# Altium PCB PCB1_Bak.PcbDoc (part 1 of 5) (continued)
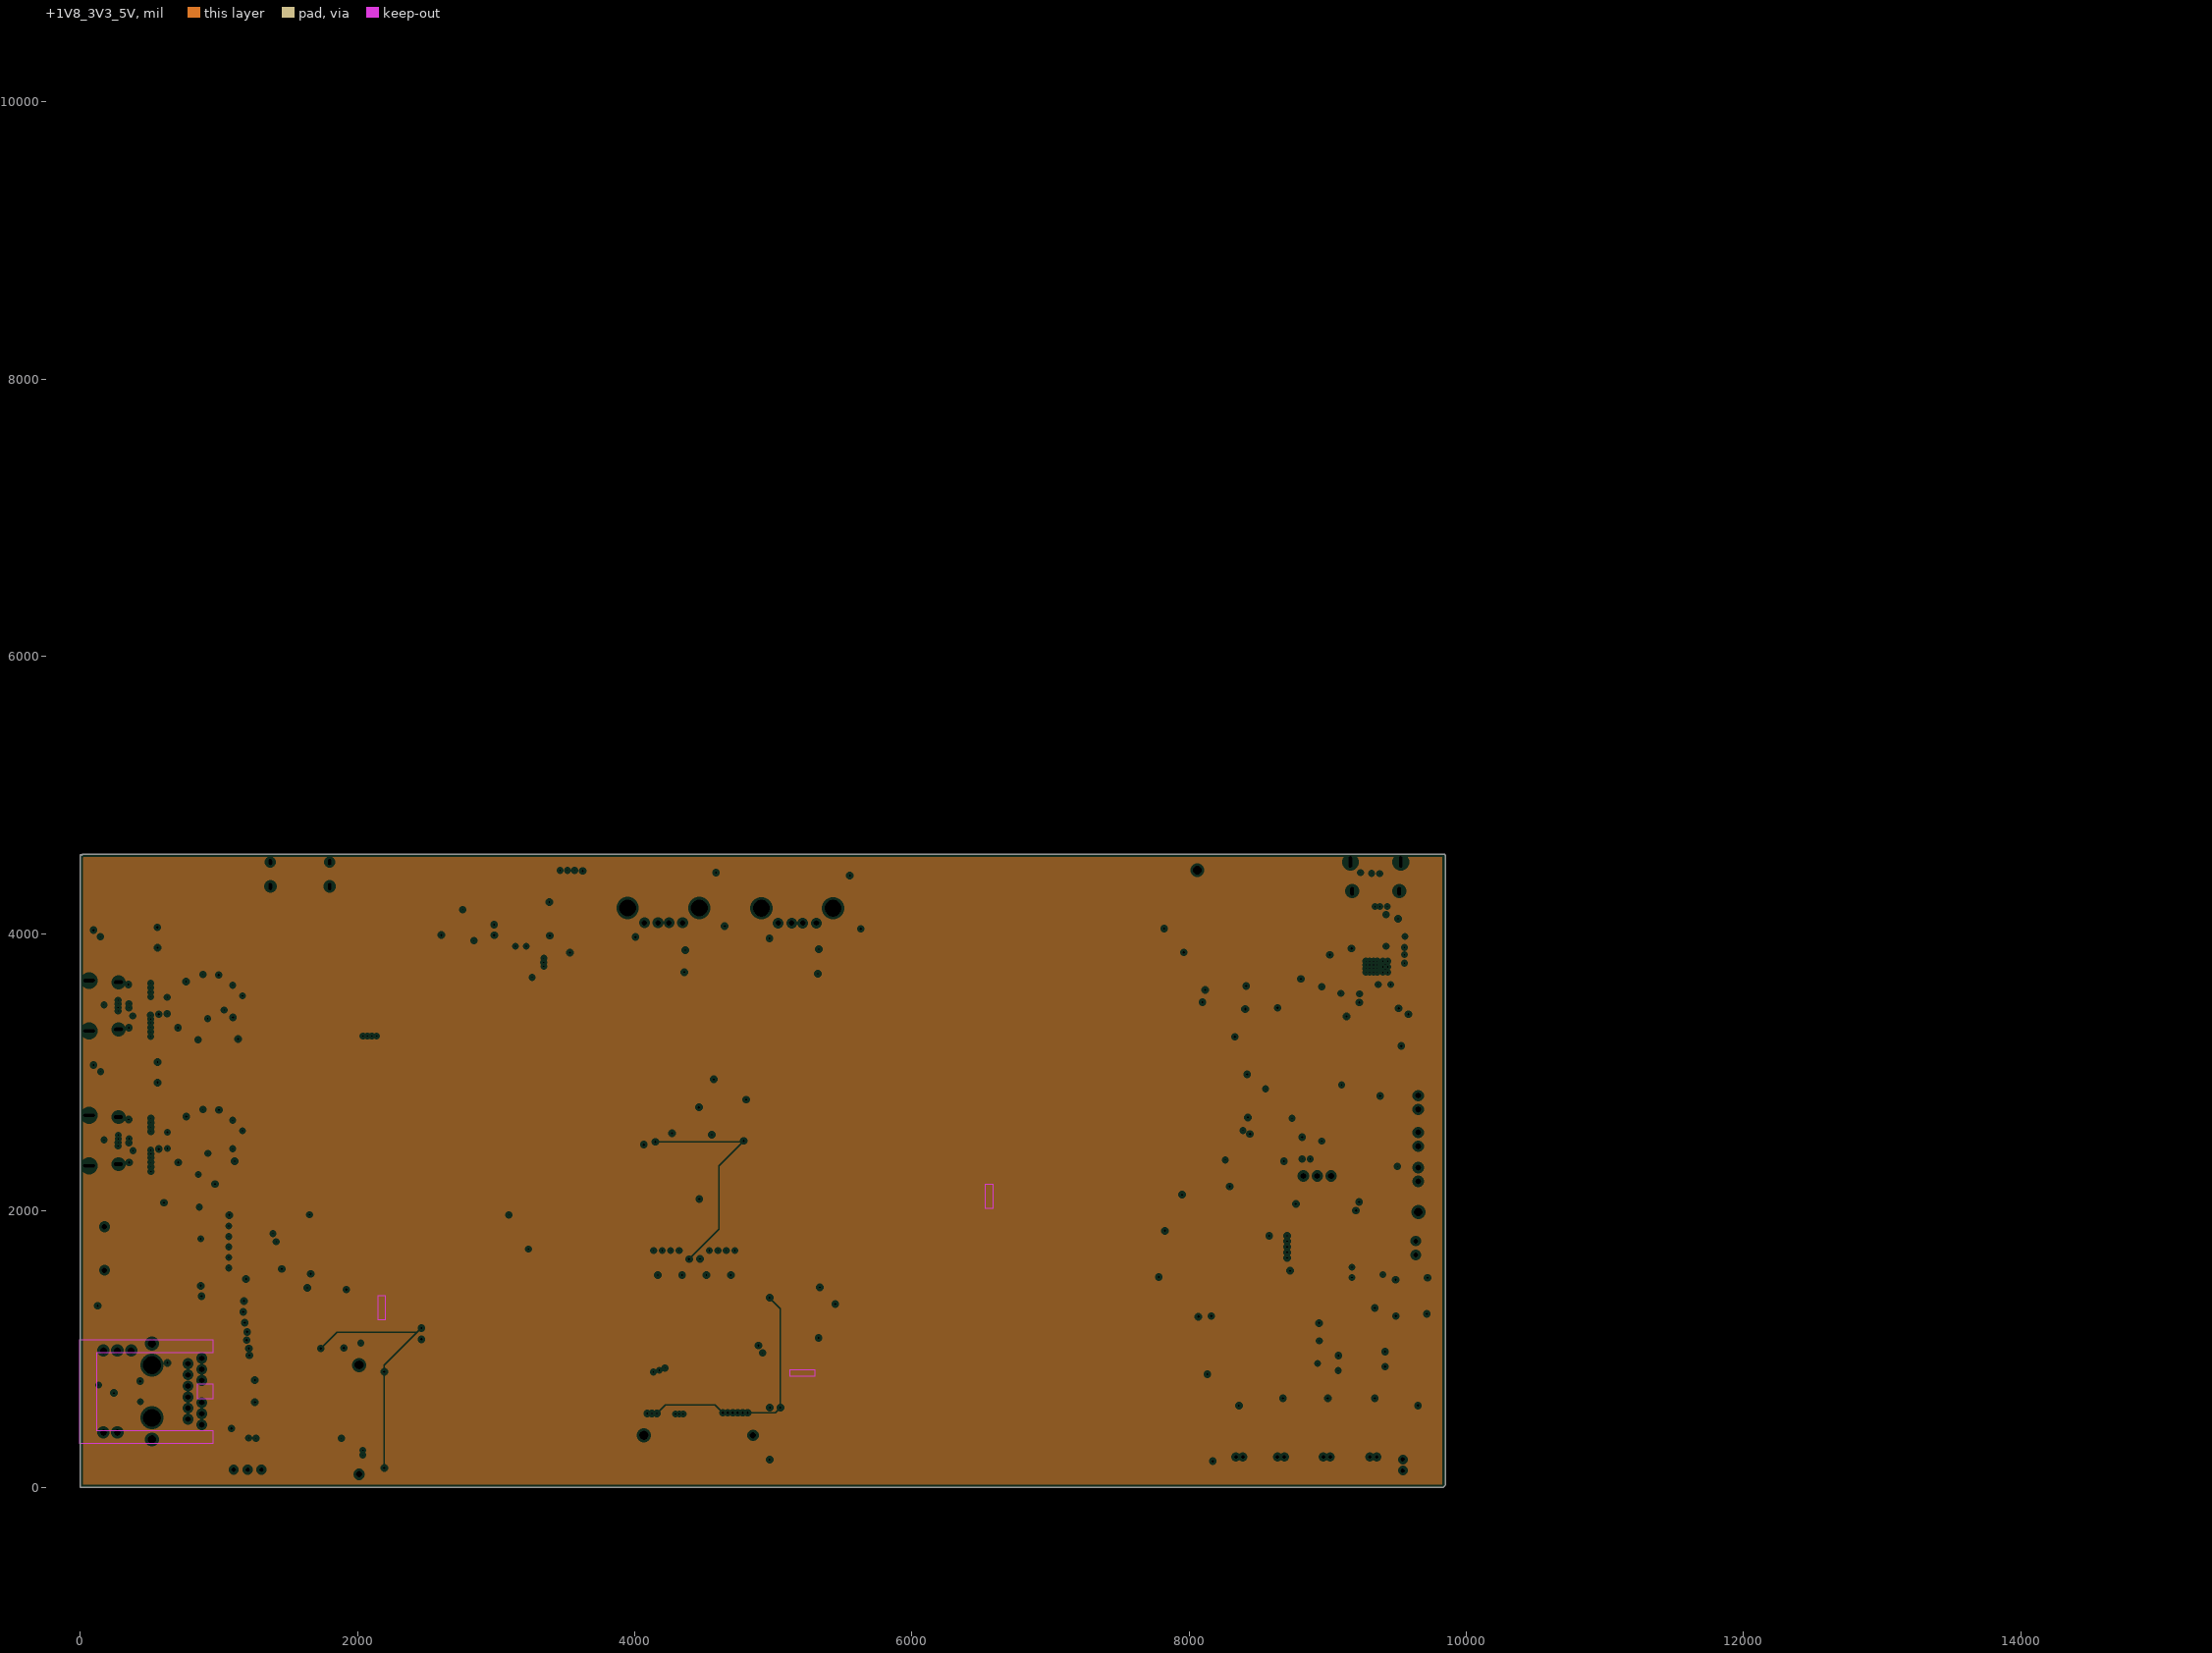
[diagram p4: +1V8_3V3_5V, clearances drawn from the general rule]
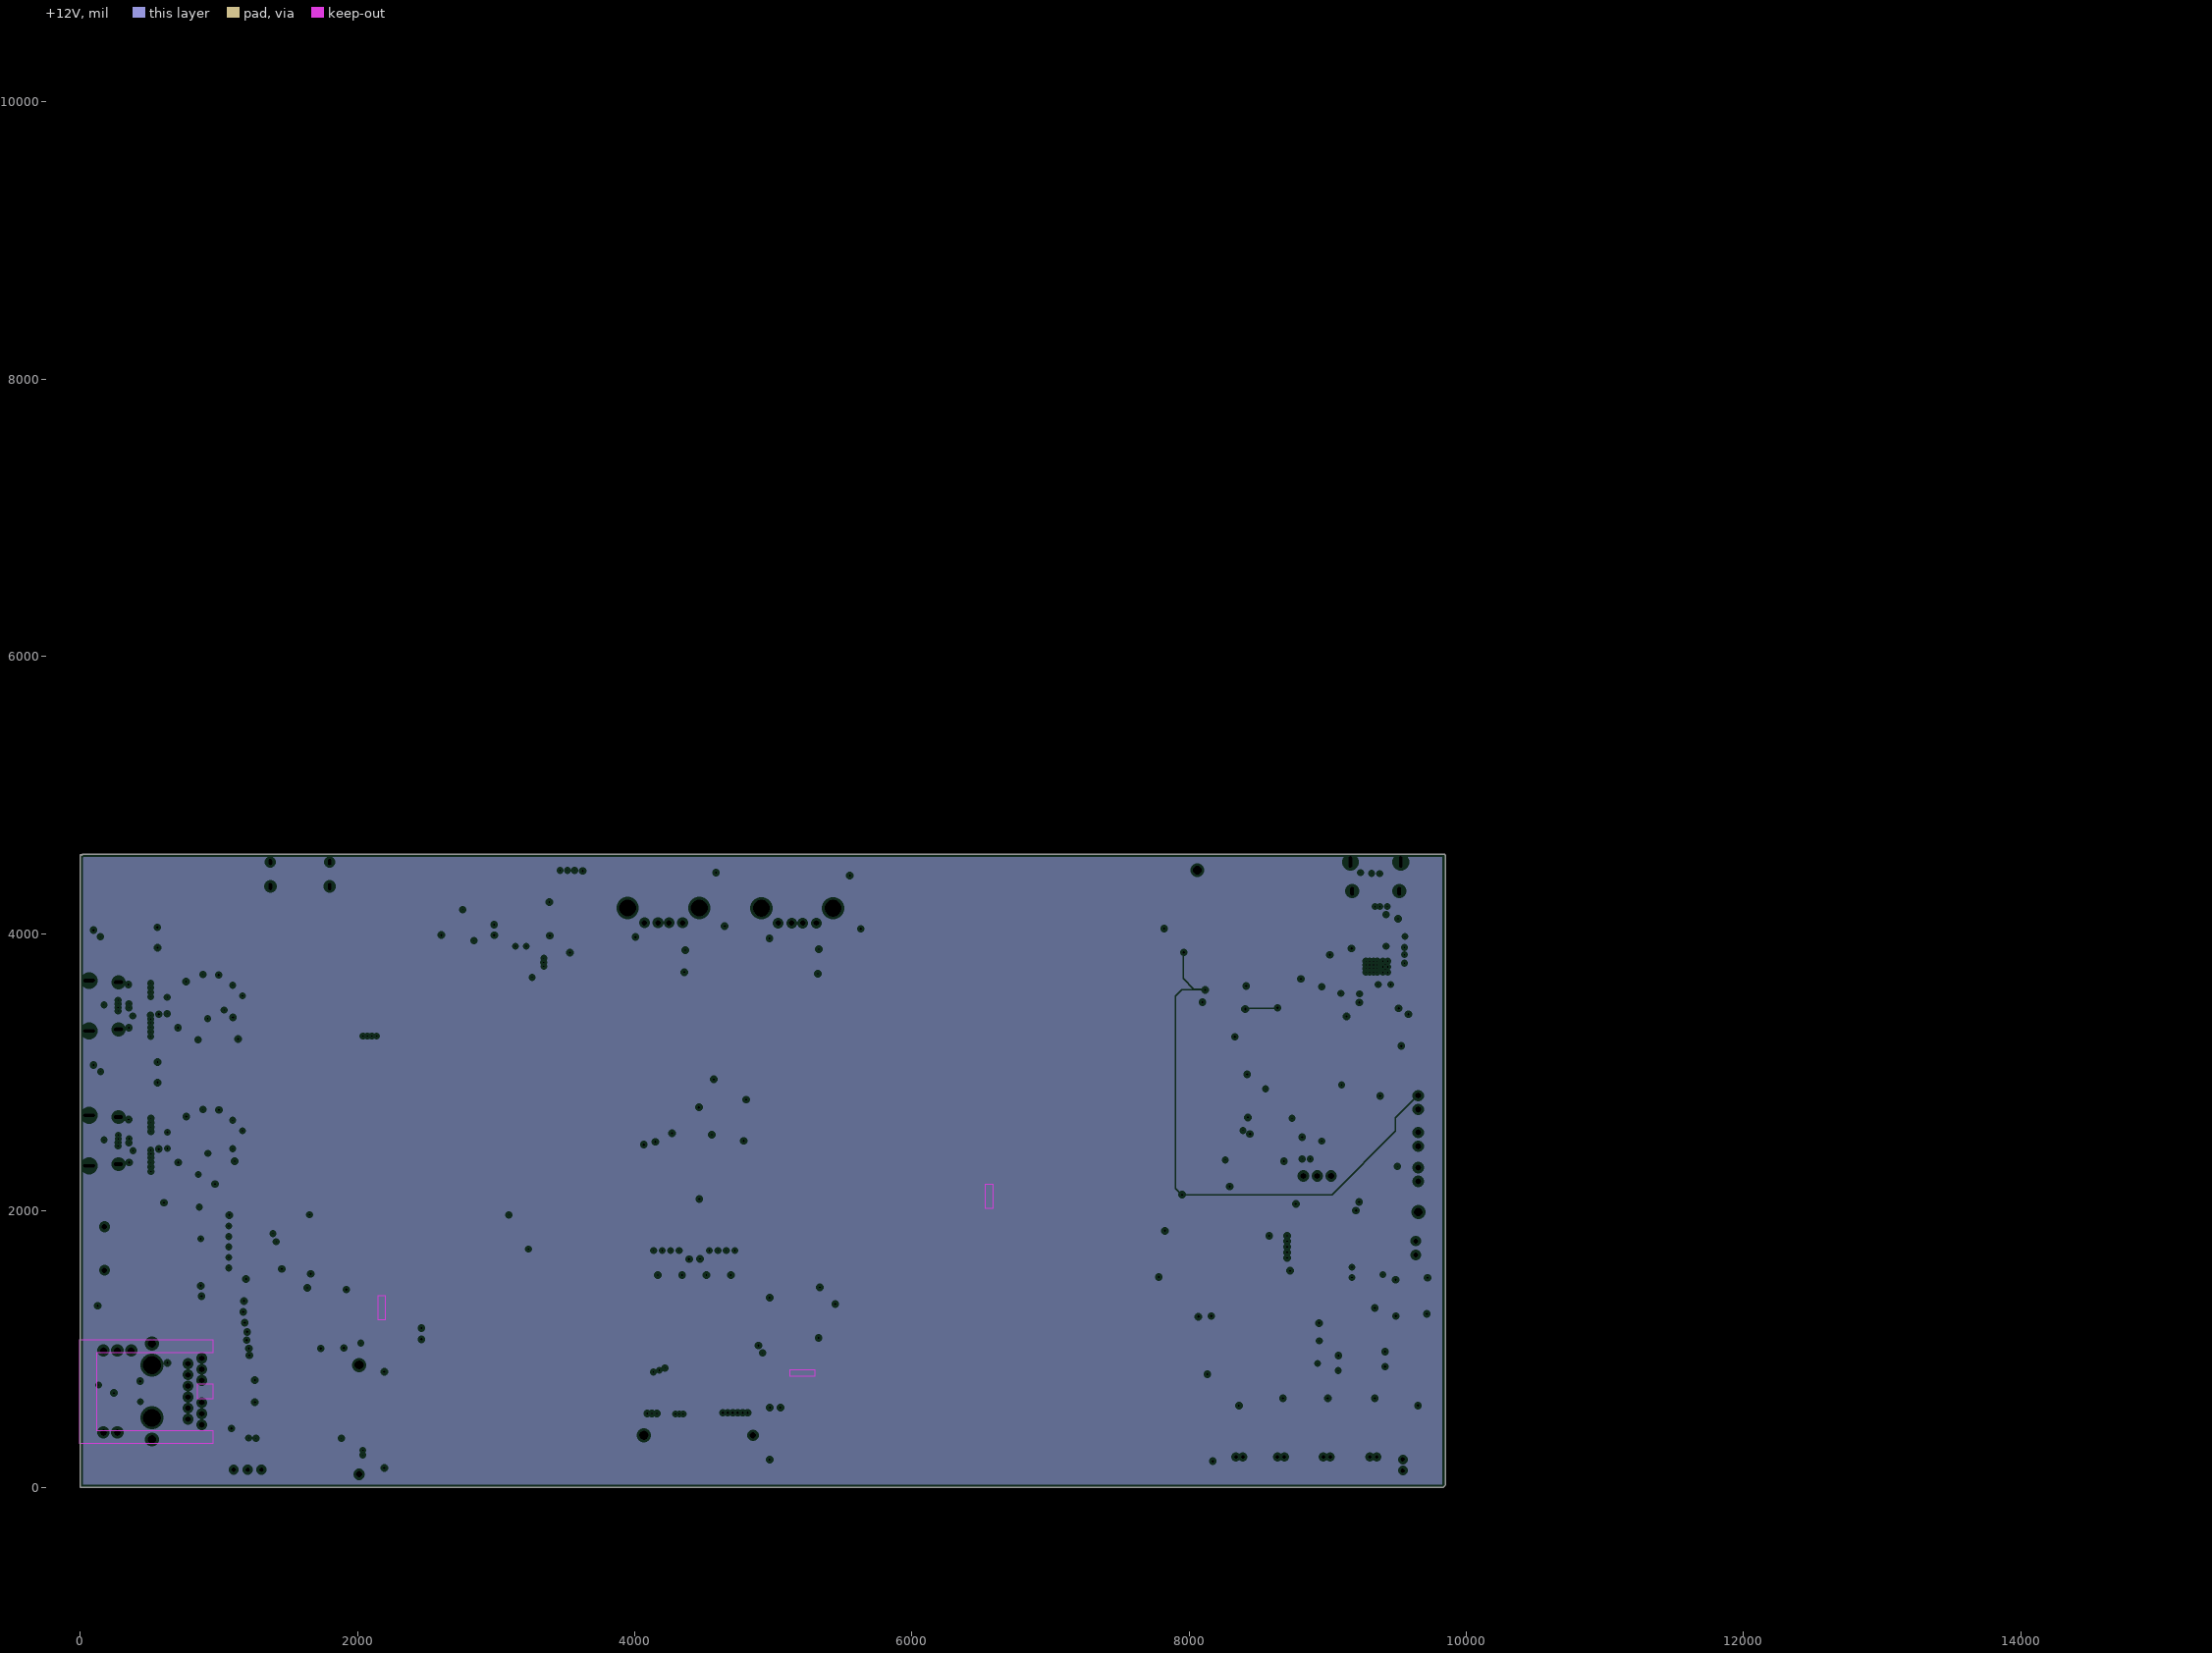
[diagram p5: +12V, clearances drawn from the general rule]
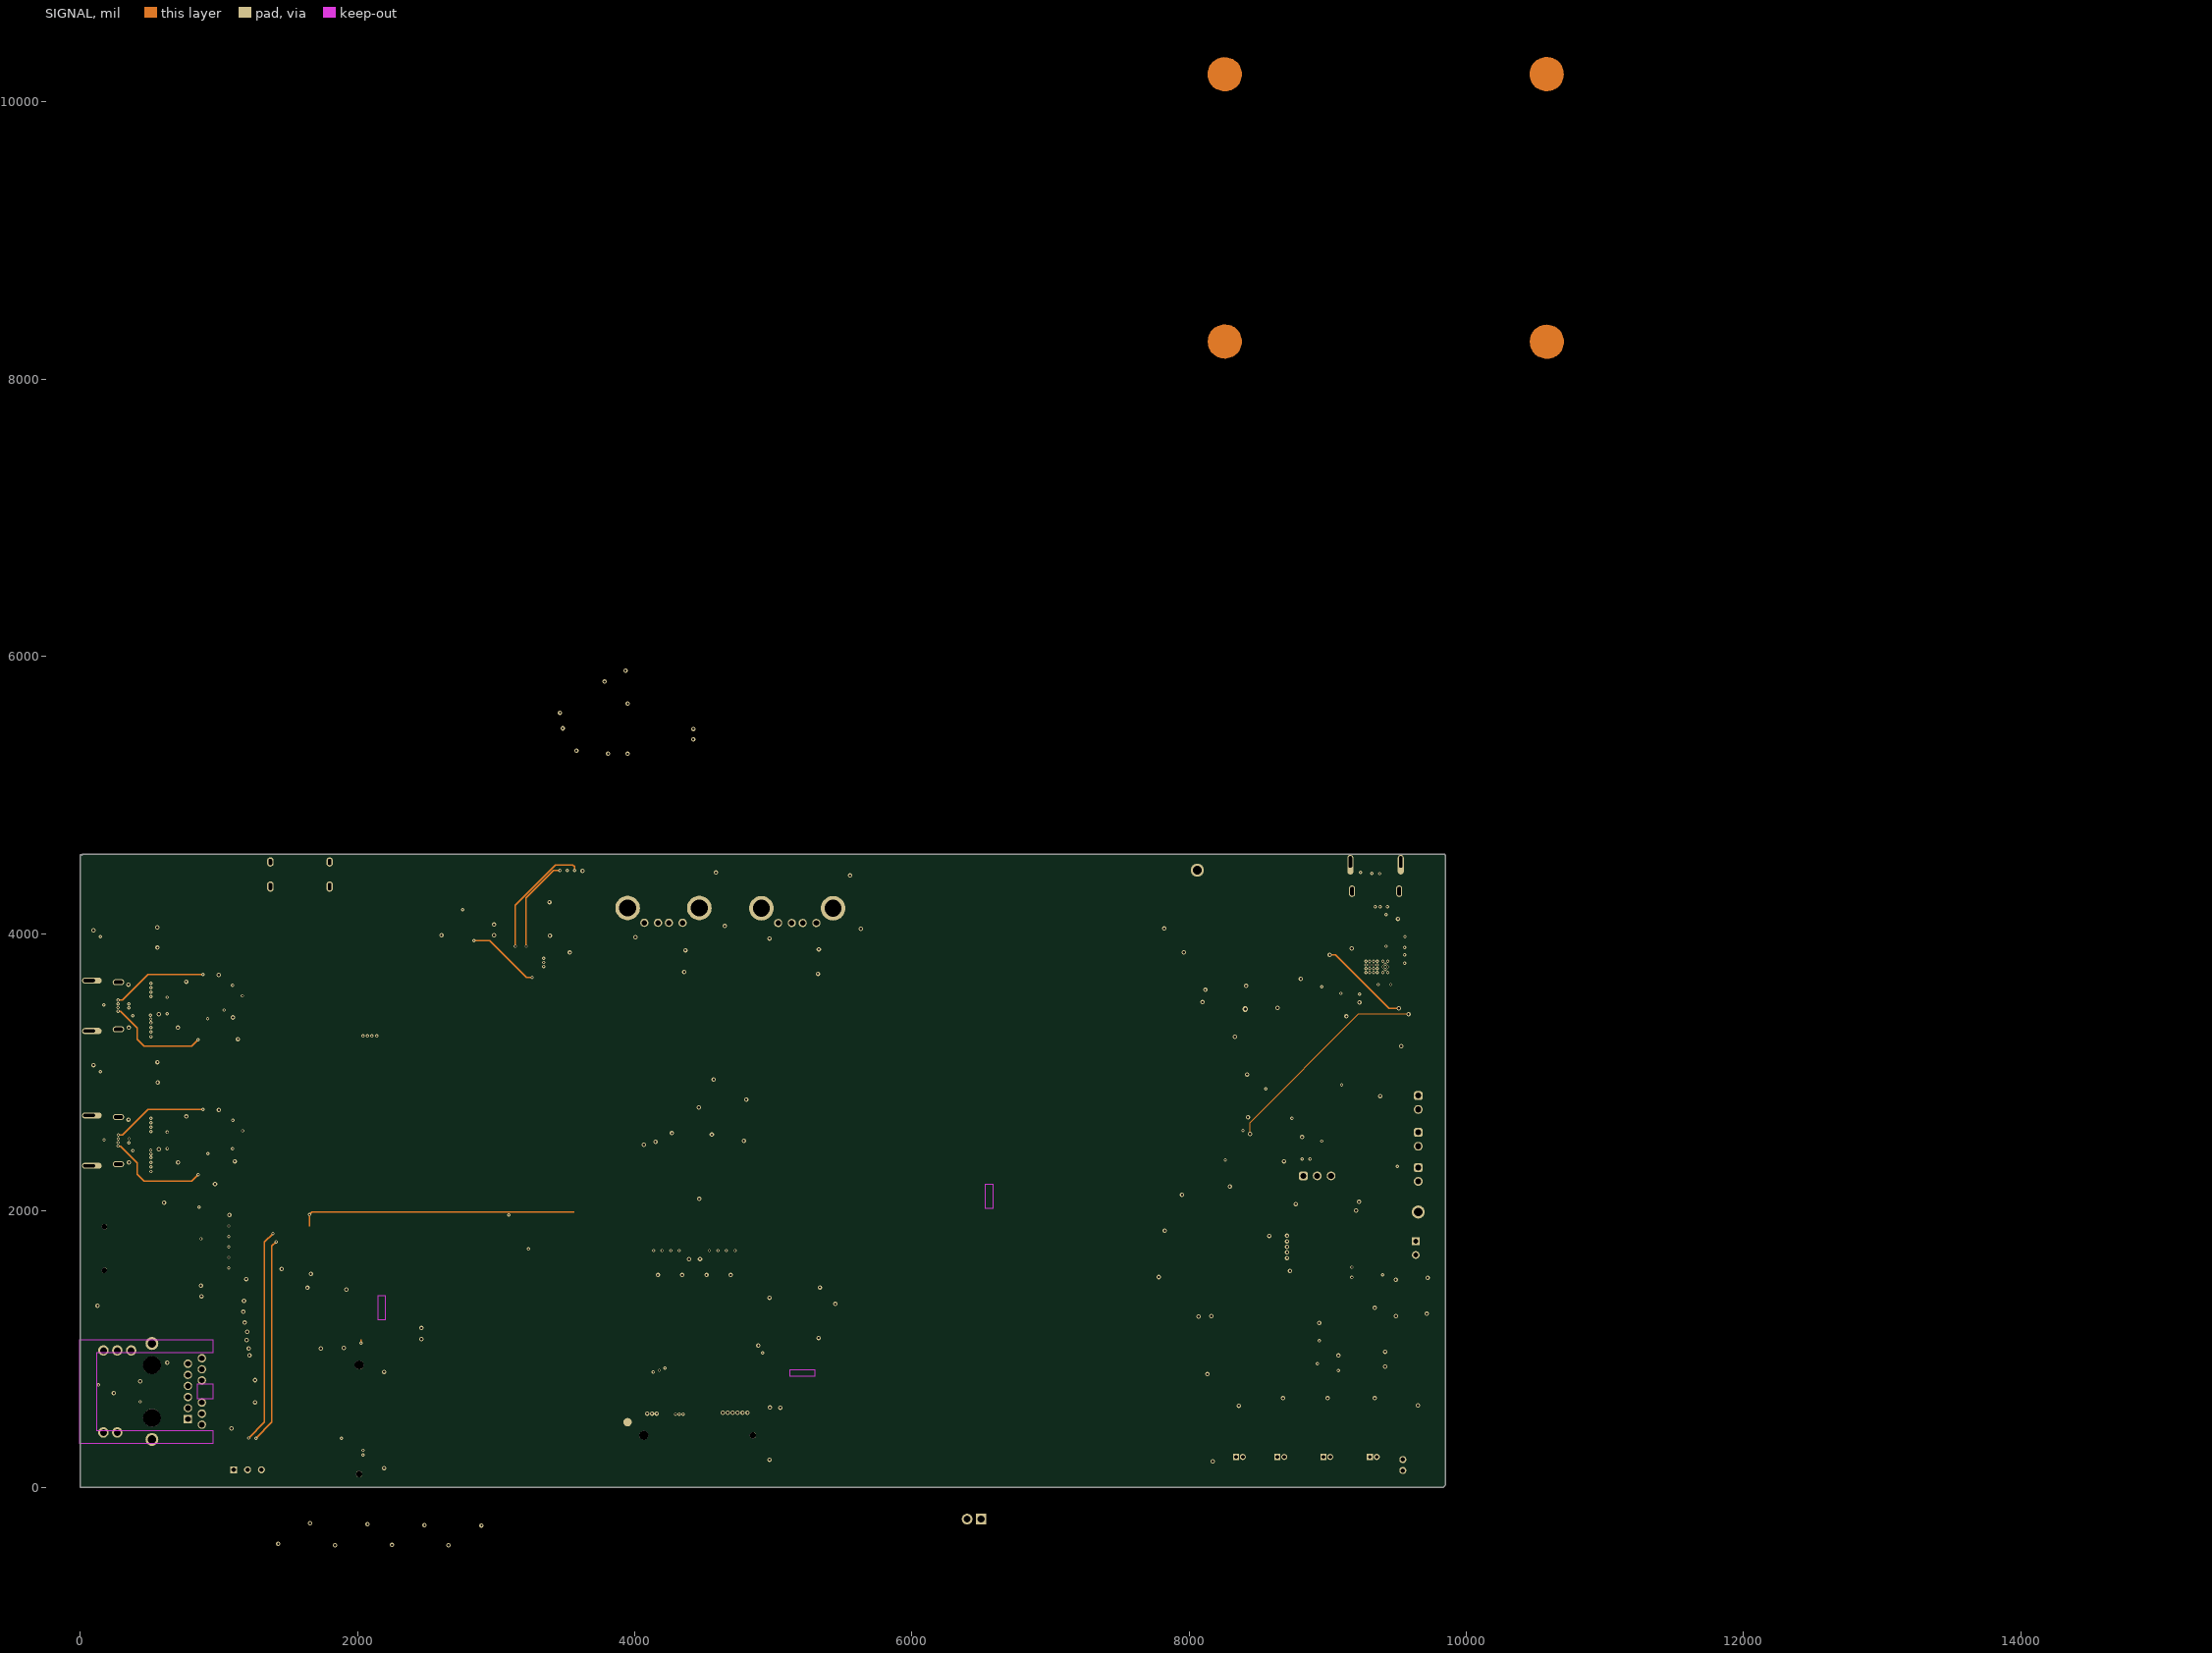
[diagram p6: SIGNAL]